# Altium PCB PCB1.PcbDoc
Units mm, origin at the board's own origin, x right, y up, seen from the top; angles counter-clockwise.
Board outline 50 x 30 mm, 2 copper layers (Top Layer, Bottom Layer); 59 components, 65 nets, 278 pads, 48 vias.
Unrouted connection lines stored in the file: 41.
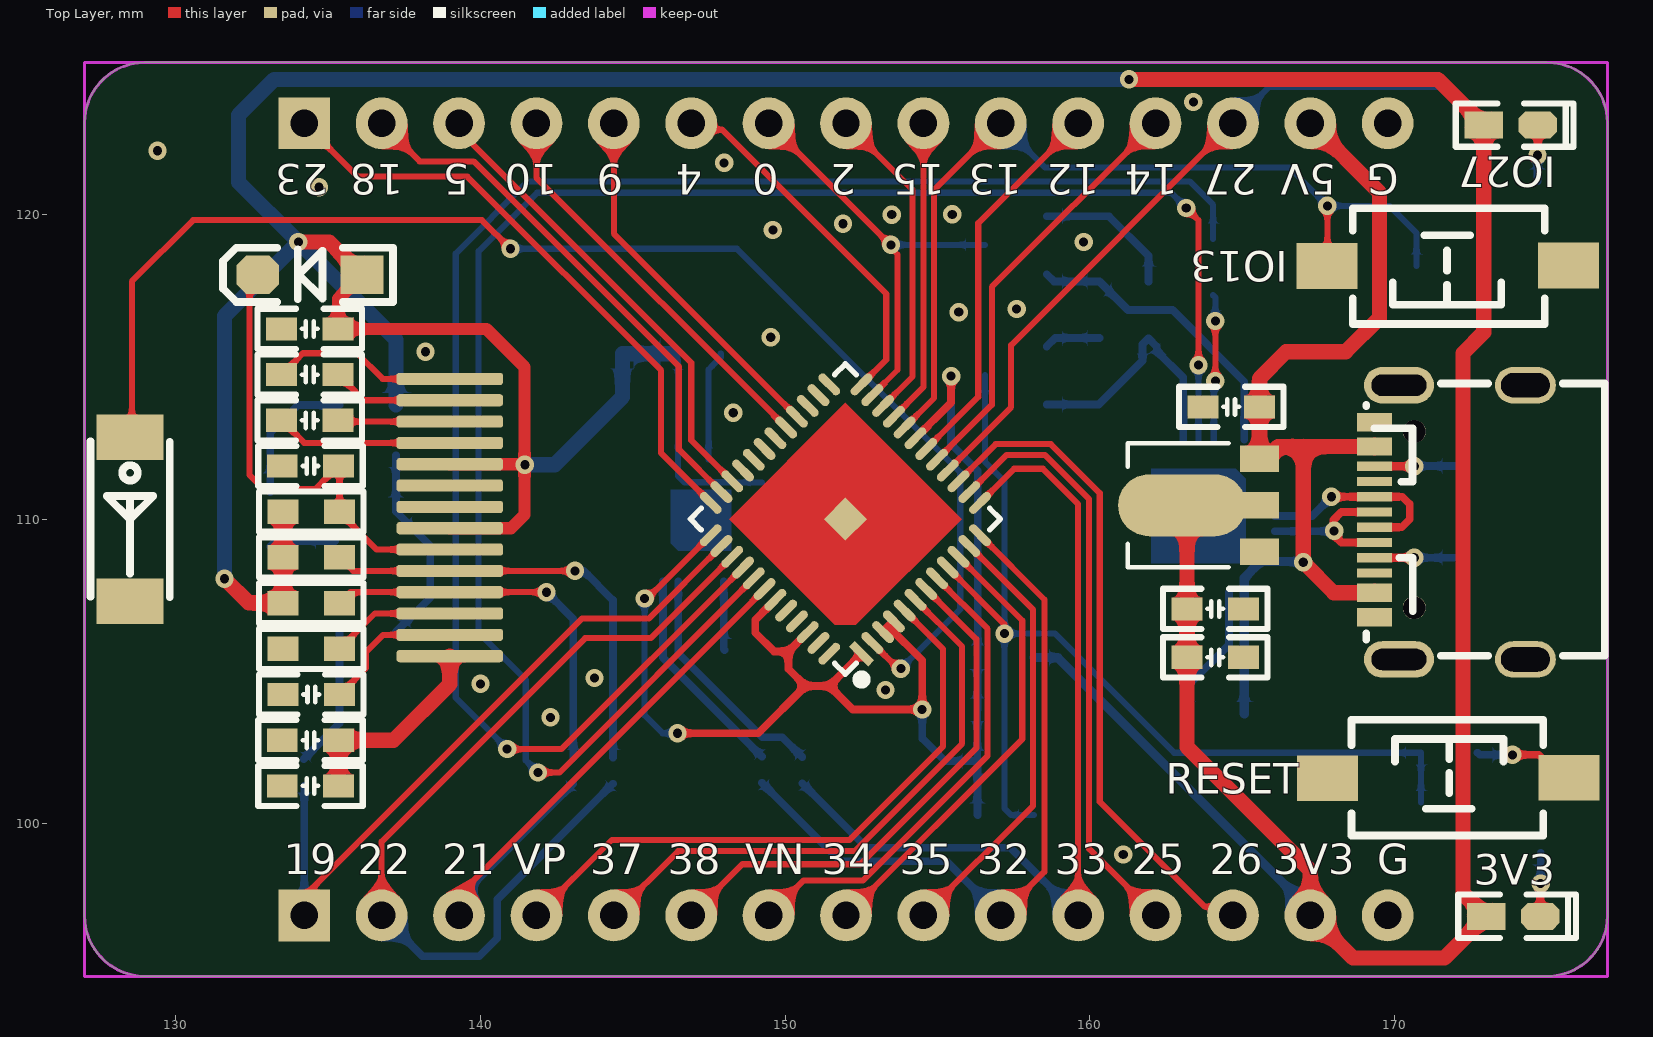
[diagram p0: Top Layer view]
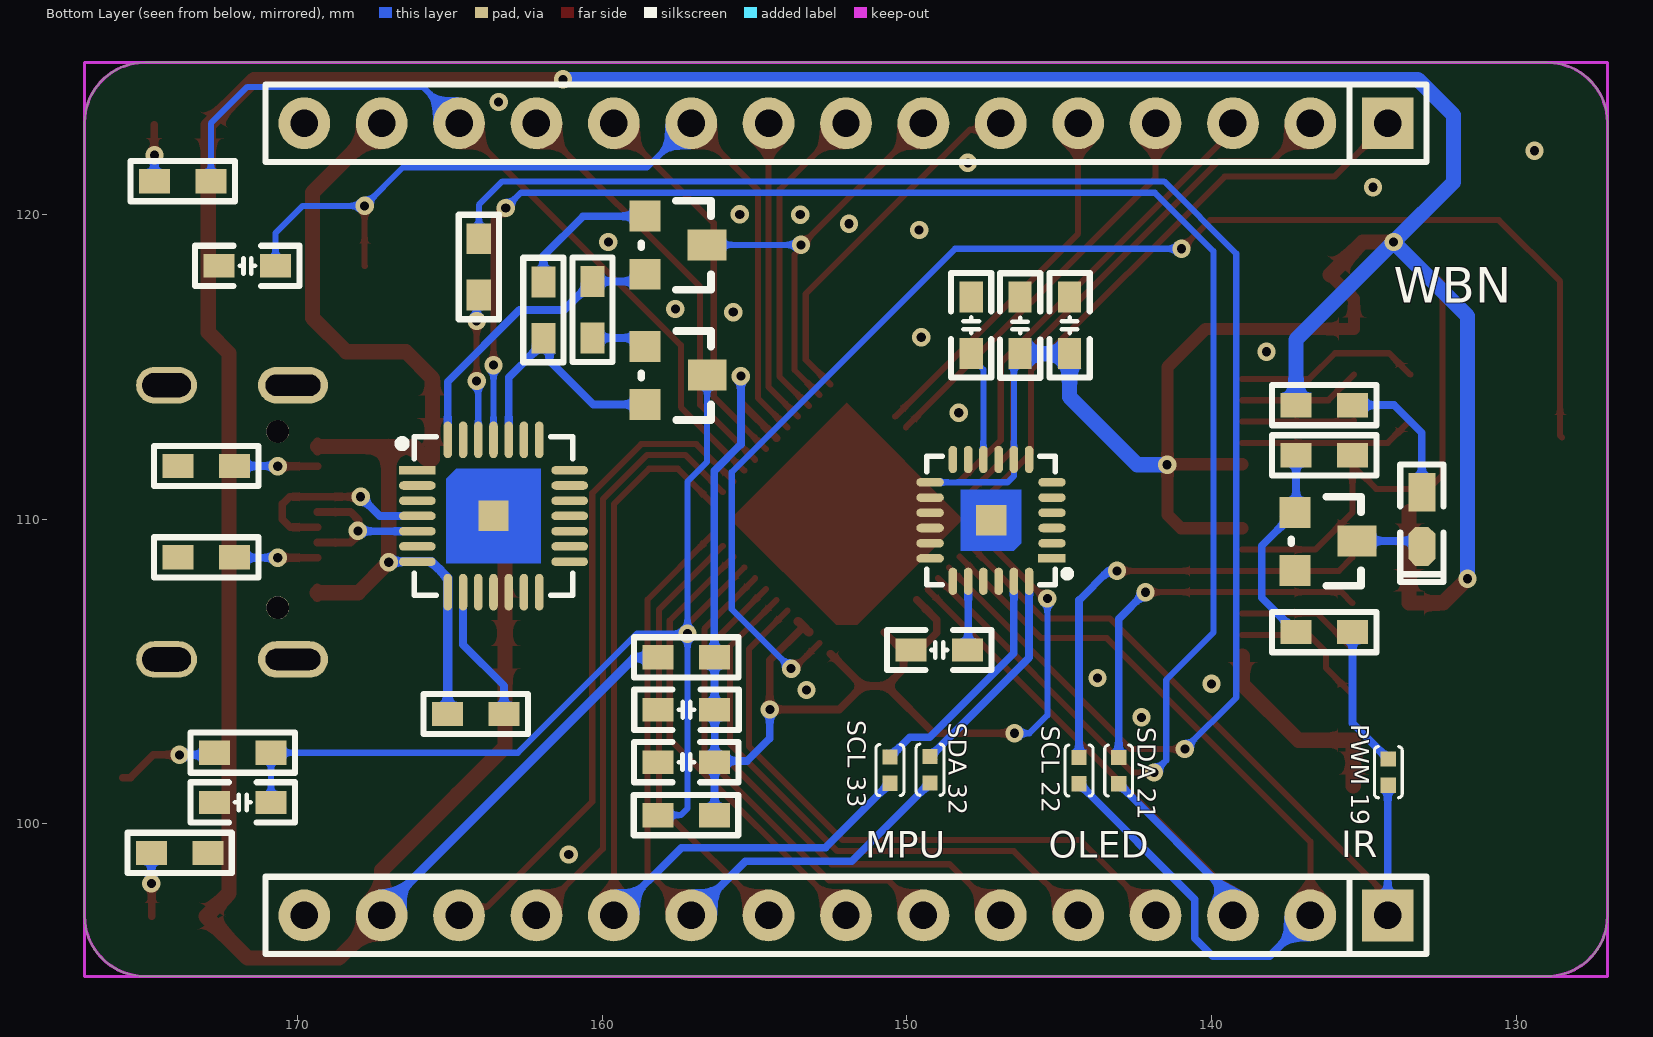
[diagram p1: Bottom Layer view, seen from below]

## Layer stack, top to bottom
Top Solder: solder mask 0.0102, Solder Resist, Dk 3.5
Top Layer: signal copper 0.0356
Dielectric 1: dielectric 0.32, FR-4, Dk 4.8
Bottom Layer: signal copper 0.0356
Bottom Solder: solder mask 0.0102, Solder Resist, Dk 3.5

## Board outline
127,97 127,123 cw(c129,123) 129,125 175,125 cw(c175,123) 177,123 177,97 cw(c175,97) 175,95 129,95 cw(c129,97)

## Design rules (kind name [scope] priority, off if disabled: settings)
Clearance [All] p1: gap=0.152 ignorepadtopadclearanceinfootprint=FALSE except(0: Arc-Hole Track-Hole SMDPad-Hole THPad-Hole Via-Hole Fill-Hole Poly-Hole Region-Hole Text-Hole)
PlaneConnect [All] p1: planeconnectstyle=Direct reliefexpansion=0.508 reliefentries=4 reliefconductorwidth=0.254 reliefairgap=0.254
PolygonConnect [All] p1: connectstyle=Direct reliefconductorwidth=0.254 reliefentries=4 polygonreliefangle="90 Angle" airgapwidth=0.254
RoutingVias [All] p1: holewidth=0.3 width=0.6 viastyle="Through Hole" minholewidth=0.3 minwidth=0.6 maxholewidth=0.3 maxwidth=0.6
SolderMaskExpansion [All] p1: expansion=0.102 istentingtop=FALSE
Width [All] p1: maxlimit=1 minlimit=0.2 preferedwidth=0.254
29 further rules are at their usual default settings.

## Classes and differential pairs
component class Sheet1: SW2 U1

## Components (designator, comment, footprint, x,y, rotation, side; value= is the part's Value field where it differs from the comment)
C1 "" C_0603 134.4,113.25 r180 top
C2 "" C_0603 134.4,114.75 r0 top
C3 "" C_0603 157.237,103.75 r180 bottom
C4 "" C_0603 157.24,102.03 r180 bottom
C5 "" C_0603 146.285,116.363 r270 bottom
C6 "" C_0603 134.4,116.25 r0 top
C7 "" C_0603 148.94,105.71 r180 bottom
C8 "" C_0603 144.66,116.37 r270 bottom
C9 "" C_0603 147.89,116.37 r270 bottom
C10 "" C_0603 134.423,101.25 r180 top
C11 "" C_0603 134.423,102.75 r180 top
C12 "" C_0603 134.423,111.75 r180 top
C13 "" C_0603 134.45,104.25 r180 top
C14 "" C_0603 171.8,100.71 r180 bottom
C15 "" C_0603 164.643,113.69 r0 top
C16 "" C_0603 164.12,107.06 r180 top
C17 "" C_0603 164.12,105.47 r180 top
C18 "" C_0603 171.65,118.32 r180 bottom
D1 "" SOD-123 134.4,118.025 r180 top
D2 "" LED_0603 173.899,96.97 r0 top
D3 "" LED_0603 173.82,122.94 r0 top
J1 "" 0402-0R 134.2,101.7 r270 bottom
J2 "" 0402-0R 149.24,101.782 r270 bottom
J3 "" 0402-0R 150.56,101.768 r270 bottom
J4 "" 0402-0R 143.05,101.752 r270 bottom
J5 "" 0402-0R 144.35,101.752 r270 bottom
L1 "" ANT2051 128.5,110 r270 top
P1 "" OLED-128*32 138.936,110.108 r0 top
P2 "" HDR2.54-LI-15P 152,97 r0 bottom
P3 "" HDR2.54-LI-15P 152,123 r0 bottom
Q1 "" SOT23 137.273,110.354 r270 bottom
Q2 "" SOT23 158.606,115.799 r270 bottom
Q3 "" SOT23 158.608,120.074 r270 bottom
R1 "" R_0603 136.3,113.75 r180 bottom
R2 "" R_0603 136.3,106.3 r180 bottom
R3 "" R_0603 136.3,112.1 r180 bottom
R4 "" R_0603 157.24,105.47 r0 bottom
R5 "" R_0603 134.45,108.75 r180 top
R6 "" R_0603 134.45,107.25 r180 top
R7 "" R_0603 134.45,105.75 r180 top
R8 "" R_0603 157.25,100.29 r180 bottom
R9 "" R_0603 134.45,110.25 r180 top
R10 "" R_0603 164.15,103.61 r180 bottom
R11 "" R_0603 164.05,118.283 r90 bottom
R12 "" R_0603 173,108.75 r180 bottom
R13 "" R_0603 173,111.75 r180 bottom
R14 "" R_0603 173.873,99.05 r180 bottom
R15 "" R_0603 173.773,121.1 r180 bottom
R16 "" R_0603 160.32,116.88 r90 bottom
R17 "" R_0603 171.8,102.34 r180 bottom
R18 "" R_0603 161.93,116.87 r270 bottom
SW1 "" "TSW SMD-3*6*2.5" 171.8,101.52 r0 top
SW2 "" "TSW SMD-3*6*2.5" 171.725,118.312 r180 top
U1 "" LED_0603 133.1,110 r270 bottom
U2 "" "QFN24 4x4_N" 147.24,109.965 r90 bottom
U3 "" "QFN48 7X7_N" 151.98,110.01 r45 top
U4 "" "QFN28 5x5_N" 163.57,110.11 r270 bottom
U5 "" SOT-89 165.57,108.936 r90 top
USB1 "" USB-C-SMD_TYPE-C-USB-5 171.825,109.903 r90 top

## Footprints (in the part's own frame and the unit in brackets; to place one, negate y for a bottom-side part, rotate by r counter-clockwise, add the part's x,y. Pads: shape width x height; smd on the part's side, far side on the other; paste and mask are expansions set on the pad)
0402-0R [mm] "选择焊盘"
  rect 0.5x0.5 smd: 1(-0.432,0) 2(0.432,0)
  silkscreen extent -0.84,-0.46 0.84,0.46
ANT2051 [mm]
  rect 1.5x2.2 smd: 1(-2.69,0) 2(2.69,0)
  silkscreen extent -2.56,-1.3 2.55,1.3, body extent -2.57,-0.91 2.54,0.94, height 1.32
C_0603 [mil]
  rect 40x30 smd: 1(-36.5,0) 2(36.5,0)
  silkscreen extent -68,-26 68,26, body extent -31,-16 31,16, height 32
HDR2.54-LI-15P [mm] "排针，15脚"
  rect 1.7x1.7 hole 0.9: 1(-17.78,0)
  round 1.7 hole 0.9: 2(-15.24,0) 3(-12.7,0) 4(-10.16,0) 5(-7.62,0) 6(-5.08,0) 7(-2.54,0) 8(0,0) 9(2.54,0) 10(5.08,0) 11(7.62,0) 12(10.16,0) 13(12.7,0) 14(15.24,0) 15(17.78,0)
  silkscreen extent -19.05,-1.27 19.05,1.27, body extent -19.05,-1.27 19.05,1.27, height 8.5
LED_0603 [mil]
  rect 50x35 smd: 1(-35,0)
  oct 50x35 smd: 2(35,0)
  silkscreen extent -71,-28 81,28, body extent -32,-16 31,16, height 18
OLED-128*32 [mm]
  rrect50% 3.5x0.4 smd: 1(0.06,4.5) 2(0.06,3.8) 3(0.06,3.1) 4(0.06,2.4) 5(0.06,1.7) 6(0.06,1) 7(0.06,0.3) 8(0.06,-0.4) 9(0.06,-1.1) 10(0.06,-1.8) 11(0.06,-2.5) 12(0.06,-3.2) 13(0.06,-3.9) 14(0.06,-4.6)
"QFN24 4x4_N" [mm] "24脚，长x宽x高：4x4x1mm，脚距：0.5mm"
  rect 0.28x0.9 smd: 1(-1.25,-2)
  oval 0.28x0.9 smd: 2(-0.75,-2) 3(-0.25,-2) 4(0.25,-2) 5(0.75,-2) 6(1.25,-2) 13(1.25,2) 14(0.75,2) 15(0.25,2) 16(-0.25,2) 17(-0.75,2) 18(-1.25,2)
  oval 0.9x0.28 smd: 7(2,-1.25) 8(2,-0.75) 9(2,-0.25) 10(2,0.25) 11(2,0.75) 12(2,1.25) 19(-2,1.25) 20(-2,0.75) 21(-2,0.25) 22(-2,-0.25) 23(-2,-0.75) 24(-2,-1.25)
  rect 1x1 smd: 25(0,0)
  Top Layer region: -1,1 1,1 1,-1 -0.75,-1 -1,-0.75
  silkscreen extent -2.11,-2.6 2.11,2.11, body extent -2.01,-2.01 2.01,2.01, height 0.95
"QFN28 5x5_N" [mm] "28脚，长x宽x高：5x5x0.8mm，脚距：0.5mm"
  rect 0.28x1.2 smd: 1(-1.5,-2.5)
  oval 0.28x1.2 smd: 2(-1,-2.5) 3(-0.5,-2.5) 4(0,-2.5) 5(0.5,-2.5) 6(1,-2.5) 7(1.5,-2.5) 15(1.5,2.5) 16(1,2.5) 17(0.5,2.5) 18(0,2.5) 19(-0.5,2.5) 20(-1,2.5) 21(-1.5,2.5)
  oval 1.2x0.28 smd: 8(2.5,-1.5) 9(2.5,-1) 10(2.5,-0.5) 11(2.5,0) 12(2.5,0.5) 13(2.5,1) 14(2.5,1.5) 22(-2.5,1.5) 23(-2.5,1) 24(-2.5,0.5) 25(-2.5,0) 26(-2.5,-0.5) 27(-2.5,-1) 28(-2.5,-1.5)
  rect 1x1 smd: 29(0,0)
  Top Layer region: -1.55,1.55 1.55,1.55 1.55,-1.55 -1.225,-1.55 -1.55,-1.225
  silkscreen extent -2.6,-3.13 2.6,2.6, body extent -2.51,-2.51 2.51,2.51, height 0.75
"QFN48 7X7_N" [mm] "48脚，长x宽x高：7x7x1mm，脚距：0.5mm"
  rect 0.28x0.9 smd: 1(-2.75,-3.5)
  oval 0.28x0.9 smd: 2(-2.25,-3.5) 3(-1.75,-3.5) 4(-1.25,-3.5) 5(-0.75,-3.5) 6(-0.25,-3.5) 7(0.25,-3.5) 8(0.75,-3.5) 9(1.25,-3.5) 10(1.75,-3.5) 11(2.25,-3.5) 12(2.75,-3.5) 25(2.75,3.5) 26(2.25,3.5) 27(1.75,3.5) 28(1.25,3.5) 29(0.75,3.5) 30(0.25,3.5) 31(-0.25,3.5) 32(-0.75,3.5) 33(-1.25,3.5) 34(-1.75,3.5) 35(-2.25,3.5) 36(-2.75,3.5)
  oval 0.9x0.28 smd: 13(3.5,-2.75) 14(3.5,-2.25) 15(3.5,-1.75) 16(3.5,-1.25) 17(3.5,-0.75) 18(3.5,-0.25) 19(3.5,0.25) 20(3.5,0.75) 21(3.5,1.25) 22(3.5,1.75) 23(3.5,2.25) 24(3.5,2.75) 37(-3.5,2.75) 38(-3.5,2.25) 39(-3.5,1.75) 40(-3.5,1.25) 41(-3.5,0.75) 42(-3.5,0.25) 43(-3.5,-0.25) 44(-3.5,-0.75) 45(-3.5,-1.25) 46(-3.5,-1.75) 47(-3.5,-2.25) 48(-3.5,-2.75)
  rect 1x1 smd mask+0.051: 49(0,0)
  Top Layer region: -2.7,2.7 2.7,2.7 2.7,-2.7 -2.214,-2.7 -2.7,-2.214
  silkscreen extent -3.6,-4.25 3.6,3.6, body extent -3.51,-3.51 3.51,3.51, height 0.95
R_0603 [mil]
  rect 40x31.5 smd: 1(-36.5,0) 2(36.5,0)
  silkscreen extent -68,-26 68,26, body extent -31,-16 31,16, height 16
SOD-123 [mil] "2.7x1.6X1.1mm（长宽高，不包括引脚）"
  rect 55x50 smd: 1(-67.5,0)
  oct 55x50 smd: 2(67.5,0)
  silkscreen extent -108,-35 112,35, body extent -73,-31 73,31, height 48
SOT23 [mil]
  rect 40x40 smd: 1(4.88,0.63) 2(79.88,0.63)
  rect 40x50 smd: 3(41.88,80.63)
  silkscreen extent -15,-4 100,86, body extent -15,-11 99,99, height 47
SOT-89 [mil]
  rect 34.02x50 smd: 1(0,0) 3(120,0)
  oval 80x165.35 smd: 2(60,100)
  rect 34x100 smd: 2(60,25)
  silkscreen extent -20,40 140,170, body extent -31,-17 151,151, height 63
"TSW SMD-3*6*2.5" [mm] "3*6*2.5mm"
  rect 2x1.5 smd: 1(-3.996,-0.02) 2(3.937,0)
  silkscreen extent -3.21,-1.9 3.09,1.9, body extent -4,-1.88 4,1.62, height 2.59
USB-C-SMD_TYPE-C-USB-5 [mm]
  oval 1.2x2.3 hole 0.7 slot 1.8 at 90 deg: 1(-4.5,1.675) 2(4.5,1.675)
  oval 1.2x2 hole 0.8 slot 1.6 at 90 deg: 3(-4.5,-2.475) 4(4.5,-2.475)
  rect 0.3x1.15 smd: A1(-3.263,2.473) A4(-2.462,2.471) A5(-1.162,2.475) A6(-0.162,2.475) A7(0.337,2.473) A9(2.638,2.475) A12(3.438,2.475) B1(3.138,2.475) B4(2.337,2.475) B5(1.838,2.475) B6(0.838,2.475) B7(-0.663,2.473) B9(-2.162,2.471) B12(-2.963,2.473)
  rect 0.3x1.148 smd: A8(1.337,2.475) B8(-1.663,2.475)
  round 0.75 hole 0.75 unplated: ""(-2.803,1.175) ""(2.978,1.175)
  silkscreen extent -4.38,-5.08 4.56,2.75, body extent -4.34,-5.14 4.6,2.76, height 3.25

## Part data
C1 C2 C3 C4 C5 C6 C7 C8 C9 C10 C11 C12 C13 C14 C15 C16 C17 C18: library part C_0603, "4.7nf-4.7uf"
D1: library part 1N4148W, "150mA/100V    开关二极管"
D2 D3: library part LED_0603
J1 J2 J3 J4 J5: library part 跳线, "Resistor", LatestRevisionDate=17-Jul-2002, LatestRevisionNote="Re-released for DXP Platform.", PackageDescription="Axial Device, Thru-Hole; 2 Leads; 0.4 in Pin Spacing", PackageReference=AXIAL-0.4, Published=8-Jun-2000, Publisher="Altium Limited"
L1: library part AN2051-245, BOM_JLCPCB Part Class="Extended Part", BOM_Manufacturer=Rainsun, BOM_Manufacturer Part=AN2051-245, BOM_Supplier=LCSC, BOM_Supplier Part=C99727, spicePre=L, spiceSymbolName=AN2051-245
P1: library part OLED-128*32
P2 P3: library part 排针-直-15P, BOM名称=15P接插件, 学习资源=www.ooocke.com, 版权归属=源创客
Q1 Q2 Q3: library part S8050, BOM_JLCPCB Part Class="Extended Part", BOM_Manufacturer=FOSAN(富信), BOM_Manufacturer Part=S8050, BOM_Supplier=LCSC, BOM_Supplier Part=C2926165, Contributor=LCSC, spicePre=Q, spiceSymbolName=S8050_C2926165
R1 R2 R3 R4 R5 R6 R7 R8 R9 R10 R11 R12 R13 R14 R15 R16 R17 R18: library part R_0603
SW1 SW2: library part 轻触开关-3*6
U1: library part IR19-21C/TR8, "红外发射管，波长940nm", BOM_JLCPCB Part Class="Extended Part", BOM_Manufacturer="Everlight Elec", BOM_Manufacturer Part=IR19-21C/TR8, BOM_Supplier=LCSC, BOM_Supplier Part=C93768, Contributor=LCSC, spicePre=U, spiceSymbolName=IR19-21C/TR8
U2: library part MPU-6050, BOM_JLCPCB Part Class="Basic Part", BOM_Manufacturer=InvenSense, BOM_Manufacturer Part=MPU-6050, BOM_Supplier=LCSC, BOM_Supplier Part=C24112, sourceId=1T5FDZYC8, spicePre=U, spiceSymbolName=MPU-6050_C24112, timeStamp=1462265206
U3: library part ESP32-PICO-D4, BOM_JLCPCB Part Class="Extended Part", BOM_Manufacturer="Espressif Systems", Frequency=-, BOM_Manufacturer Part=ESP32-PICO-D4, BOM_Supplier=LCSC, BOM_Supplier Part=C193707, Contributor=LCSC, spicePre=U, spiceSymbolName=ESP32-PICO-D4
U4: library part CP2102-GMR, BOM_JLCPCB Part Class="Basic Part", BOM_Manufacturer="SILICON LABS", BOM_Manufacturer Part=CP2102-GMR, BOM_Supplier=LCSC, BOM_Supplier Part=C6568, spicePre=U, spiceSymbolName=CP2102-GMR
U5: library part ASM1117-3.3, "SOT-89封装"
USB1: library part TYPE-C, "KH-TYPE-C-16P", BOM_JLCPCB Part Class="Extended Part", BOM_Manufacturer="Shenzhen Kinghelm Elec", BOM_Manufacturer Part=KH-TYPE-C-16P, BOM_Supplier=LCSC, BOM_Supplier Part=C709357, Contributor=LCSC, spicePre=U, spiceSymbolName=KH-TYPE-C-16P

## Via types
v1: diameter 0.6, hole 0.3, Top Layer to Bottom Layer, tented both sides, 48 vias

## Nets (pads, with @x,y where several pads share a name; then routed paths per layer and width w, separated by ;. In a path a pad name is that pad's centre, name@x,y a point inside that pad or via, vN(x,y) a via of type N, cw(c..) or ccw(c..) an arc to the next point about the centre after c; other vN are vias at no path point)
3V3: C5.2 C6.2 C8.2 C16.2 C17.2 D1.1 D2.1 D3.1 P1.5 P1.8 P2.14 R1.1 R4.2 R5.2 R6.2 R9.2 U2.8 U2.13 U5.2 | length 167.7
  Top Layer w0.4: D1.1 135.327,117.238 C6.2 140.2,116.25 141.45,115 v1@141.45,111.8 ; P1.8 141.008,109.708 141.45,110.15 v1@141.45,111.8 ; P1.5 141.442,111.808 v1@141.45,111.8
  Top Layer w0.5: v1(131.6,108.05) 132.4,107.25 R6.2 R5.2 R9.2 ; v1(134.025,119.1) 135.039,119.1 D1.1 ; v1(161.29,124.44) 171.431,124.44 D3.1 172.931,116.131 172.25,115.45 172.25,97.73 D2.1 171.64,95.6 168.64,95.6 P2.14 167.24,98.48 164.755,100.965 ; U5.2@163.03,110.46 163.193,110.297 C16.2 C17.2 163.193,102.527 164.755,100.965 ; 164.763,100.973 164.755,100.965
  Bottom Layer w0.2: C5.2 146.49,115.231 U2.8 146.49,111.42 146.693,111.217 148.345,111.217 148.347,111.215 U2.13
  Bottom Layer w0.3: R4.2 158.176,105.461 158.949,105.461 167.24,97.17 P2.14
  Bottom Layer w0.5: v1(131.6,108.05) 131.6,116.675 v1(134.025,119.1) ; R1.1 137.227,115.898 v1(134.025,119.1) ; v1(141.46,111.79) 142.438,111.79 144.66,114.012 C8.2 144.667,115.436 C5.2 ; v1(161.29,124.44) 133.23,124.44 132.062,123.272 132.062,121.063 v1(134.025,119.1)
3V3_MCU: C3.2 C4.2 R4.1 R8.2 U3.1 U3.3 U3.4 U3.19 U3.37 U3.43 U3.46 | length 47.7
  Top Layer w0.2: v1(145.39,107.4) 145.481,107.4 U3.37
  Top Layer w0.254: v1(146.47,102.98) 149.12,102.98 150.67,104.53 ; U3.43 149.02,106.696 149.02,106.28 149.635,105.665 150.11,105.665 ; U3.46 150.11,105.665 ; U3.1 151.45,104.53 ; 153.394,106.474 154.5,105.369 v1@154.5,103.77 ; U3.19 155.45,113.834 v1(155.45,114.7) ; v1(154.5,103.76) 152.22,103.76 151.45,104.53 ; 150.11,105.665 150.11,105.09 150.67,104.53 ; 150.67,104.53 151.45,104.53
  Top Layer w0.3: U3.3 153.394,106.474 U3.4
  Bottom Layer w0.2: v1(145.39,107.4) 145.39,103.57 145.98,102.98 v1(146.47,102.98)
  Bottom Layer w0.254: v1(154.5,103.76) 154.5,102.81 155.24,102.07 156.273,102.07 C4.2@156.31,102.033 ; v1(155.45,114.7) 155.45,112.46 156.323,111.587 156.323,105.48 R4.1 156.313,103.753 C3.2 C4.2@156.31,102.033 ; R8.2 156.313,100.3 C4.2 C4.2@156.31,102.033
CP_Rx: U3.41 U4.25 | length 59.7
  Top Layer w0.2: v1(141.89,101.69) 142.599,101.69 U3.41 ; v1(163.17,120.22) 163.57,119.82 v1(163.57,115.06)
  Bottom Layer w0.2: v1(141.89,101.69) 141.49,102.09 141.49,104.73 139.94,106.28 139.94,118.8 141.86,120.72 162.67,120.72 v1(163.17,120.22) ; U4.25 v1(163.57,115.06)
CP_Tx: R11.2 U3.40 | length 54.4
  Top Layer w0.2: v1(140.878,102.465) 140.878,102.462 140.885,102.455 142.658,102.455 U3.40
  Bottom Layer w0.2: v1(140.878,102.465) 140.877,102.463 139.19,104.15 139.19,118.72 141.56,121.09 163.28,121.09 164.05,120.32 R11.2
DTR: Q3.2 R16.2 U4.28 | length 9.8
  Bottom Layer w0.254: Q3.2 158.83,117.807 R16.2 161.257,116.87 162.72,116.87 165.07,114.52 U4.28
EN: C14.2 Q2.3 R8.1 R17.2 U3.9 | length 35.4
  Top Layer w0.2: U3.9 157.201,106.557 v1(157.201,106.248)
  Bottom Layer w0.2: Q2.3 156.558,111.889 157.201,111.245 v1(157.201,106.248) ; R8.1 157.42,100.29 157.2,100.51 157.2,106.247 v1(157.201,106.248) ; C14.2 R17.2 162.77,102.34 158.862,106.248 v1(157.201,106.248)
GND: C3.1 C4.1 C5.1 C6.1 C7.1 C8.1 C9.1 C10.2 C11.2 C12.2 C13.2 C14.1 C15.1 C16.1 C17.1 C18.1 P1.7 P2.15 P3.15 Q1.2 R3.2 R7.2 R12.1 R13.1 R14.2 SW1.1 SW2.1 U2.1 U2.9 U2.11 U2.18 U2.25 U3.49 U4.3 U4.29 U5.1 USB1.1 USB1.2 USB1.3 USB1.4 USB1.A1 USB1.A12 USB1.B1 USB1.B12
  other v1: 161.1,99 142.3,103.5 153.3,104.4 140,104.6 143.746,104.791 148.3,113.5 138.2,115.5 149.529,115.979 155.7,116.8 157.6,116.9 159.8,119.1 149.6,119.5 151.9,119.7 153.5,120 155.487,120.01 134.7,120.9 148,121.7 129.4,122.1 163.4,123.7
GPIO0: P3.7 Q3.3 U3.23 | length 14.3
  Top Layer w0.2: P3.7@149.62,122.94 149.62,123 P3.7 153.45,119.01 v1(153.48,119.01) 153.48,118.903 153.69,118.693 153.69,114.902 U3.23
  Bottom Layer w0.2: v1(153.48,119.01) Q3.3
GPIO2: P3.8 U3.22 | length 10.6
  Top Layer w0.2: P3.8 154.182,120.818 154.182,114.687 U3.22
GPIO4: P3.6 U3.24 | length 12
  Top Layer w0.2: P3.6 147.133,122.787 147.933,122.787 153.32,117.4 153.32,115.239 U3.24
GPIO5: P3.3 U3.34 | length 15.5
  Top Layer w0.2: P3.3 139.3,122.76 146.92,115.14 146.92,112.595 U3.34
GPIO9: P3.5 U3.28 | length 12.1
  Top Layer w0.2: P3.5 144.38,119.378 U3.28
GPIO10: P3.4 U3.29 | length 13.4
  Top Layer w0.2: P3.4 141.84,121.211 U3.29
GPIO12: P3.11 U3.18 | length 12.8
  Top Layer w0.2: U3.18 156.341,114.018 156.341,119.721 P3.11
GPIO13: C18.2 P3.10 SW2.2 U3.20 | length 29.5
  Top Layer w0.2: U3.20 154.892,113.983 154.892,120.812 P3.10 ; SW2.2 167.8,118.324 v1(167.8,120.29)
  Bottom Layer w0.2: P3.10 158.53,121.55 166.54,121.55 v1(167.8,120.29) 169.835,120.29 170.723,119.402 C18.2
GPIO14: P3.12 U3.17 | length 14
  Top Layer w0.2: U3.17 156.79,113.759 156.79,117.63 P3.12
GPIO15: P3.9 U3.21 | length 10
  Top Layer w0.2: U3.21 154.54,114.338 P3.9
GPIO18: P3.2 U3.35 | length 17.8
  Top Layer w0.2: P3.2 138.01,121.75 139.78,121.75 146.51,115.02 146.51,112.298 U3.35
GPIO19: J1.2 P2.1 U3.38 | length 23.4
  Top Layer w0.2: P2.1 134.22,97.63 143.34,106.75 145.538,106.75 U3.38
  Bottom Layer w0.2: J1.2 J1.2@134.22,101.248
  Bottom Layer w0.254: P2.1 J1.2@134.22,101.248
GPIO21: J4.2 P2.3 U3.42 | length 20.7
  Top Layer w0.2: P2.3 139.3,97.684 U3.42
  Bottom Layer w0.254: P2.3 139.3,97.57 J4.2
GPIO22: J5.2 P2.2 U3.39 | length 29
  Top Layer w0.2: P2.2 136.76,97.265 136.76,99.421 143.439,106.1 145.595,106.1 U3.39
  Bottom Layer w0.254: P2.2 138.1,95.66 139.96,95.66 140.55,96.25 140.55,97.52 J5.2
GPIO23: P3.1 U3.36 | length 20.1
  Top Layer w0.2: P3.1 135.97,121.25 139.57,121.25 145.93,114.89 145.93,112.171 U3.36
GPIO25: P2.12 U3.14 | length 19.6
  Top Layer w0.2: U3.14 157.27,112.118 158.522,112.118 159.978,110.662 159.978,99.182 P2.12
GPIO26: P2.13 U3.15 | length 21.9
  Top Layer w0.2: U3.15 156.915,112.47 158.72,112.47 160.33,110.86 160.33,100.73 163.773,97.287 164.413,97.287 P2.13
GPIO27: P3.13 R15.2 U3.16 | length 26.3
  Top Layer w0.2: U3.16 157.42,113.682 157.42,115.72 P3.13
  Bottom Layer w0.2: P3.13 165.895,124.195 171.647,124.195 172.846,122.997 R15.2
GPIO32: J2.2 P2.10 U3.12 | length 23.6
  Top Layer w0.2: U3.12 158.51,107.369 158.51,98.43 P2.10
  Bottom Layer w0.254: J2.2 151.81,98.78 155.3,98.78 P2.10
GPIO33: J3.2 P2.11 U3.13 | length 28.5
  Top Layer w0.2: U3.13 157.519,111.66 158.46,111.66 159.62,110.5 P2.11
  Bottom Layer w0.254: J3.2 152.676,99.22 157.4,99.22 P2.11
GPIO34: P2.8 U3.10 | length 15
  Top Layer w0.2: P2.8 157.785,102.785 157.785,106.68 U3.10
GPIO35: P2.9 U3.11 | length 14.5
  Top Layer w0.2: P2.9 158.14,100.6 158.14,107.032 U3.11
GPIO37: P2.5 U3.6 | length 19.1
  Top Layer w0.2: P2.5 146.49,99.11 152.28,99.11 155.81,102.64 155.81,105.826 U3.6
GPIO38: P2.6 U3.7 | length 17.5
  Top Layer w0.2: P2.6 148.6,98.68 152.47,98.68 156.28,102.49 156.28,106.064 U3.7
IR: J1.1 R2.2 | length 4.7
  Bottom Layer w0.254: J1.1 135.373,103.305 R2.2
IREF: P1.12 R7.1 | length 4.1
  Top Layer w0.2: R7.1 136.535,106.908 P1.12
MPU_SCL: J3.1 U2.23 | length 7.8
  Bottom Layer w0.254: U2.23 146.49,105.61 149.25,102.85 149.91,102.85 J3.1
MPU_SDA: J2.1 U2.24 | length 7.1
  Bottom Layer w0.254: U2.24 145.99,105.464 J2.1
NetC1_1: C1.1 P1.3 | length 3.7
  Top Layer w0.2: C1.1 135.369,113.208 P1.3
NetC1_2: C1.2 P1.4 | length 5.8
  Top Layer w0.2: C1.2 134.214,112.508 P1.4
NetC2_1: C2.1 P1.1 | length 6.2
  Top Layer w0.2: C2.1 134.173,115.45 135.95,115.45 136.792,114.608 P1.1
NetC2_2: C2.2 P1.2 | length 4
  Top Layer w0.2: C2.2 136.169,113.908 P1.2
NetC7_2: C7.2 U2.20 | length 2.3
  Bottom Layer w0.254: U2.20 147.99,105.733 C7.2
NetC9_2: C9.2 U2.10 | length 3.6
  Bottom Layer w0.2: U2.10 147.49,114.918 147.607,115.035 147.609,115.035 147.89,115.316 C9.2
NetD2_2: D2.2 R14.1 | length 2.1
  Top Layer w0.254: D2.2 174.788,98.038 v1(174.8,98.05)
  Bottom Layer w0.254: v1(174.8,98.05) R14.1
NetD3_2: D3.2 R15.1 | length 1.8
  Top Layer w0.254: v1(174.7,121.95) 174.709,121.959 D3.2
  Bottom Layer w0.254: R15.1 v1(174.7,121.95)
NetL1_1: L1.1 U3.2 | length 45.1
  Top Layer w0.2: L1.1 128.56,112.75 128.56,117.81 130.57,119.82 140.05,119.82 v1(140.99,118.88) ; U3.2 153.708,105.1 v1(153.8,105.1)
  Bottom Layer w0.2: v1(140.99,118.88) 148.42,118.88 155.75,111.55 155.75,107.05 v1(153.8,105.1)
NetQ1_1: Q1.1 R2.1 R3.1 | length 6.7
  Bottom Layer w0.254: R2.1 138.35,107.423 138.35,109.137 Q1.1 ; Q1.1@137.227,110.26 R3.1
NetQ1_3: Q1.3 U1.2 | length 2.2
  Bottom Layer w0.254: U1.2 133.279,109.29 Q1.3
NetQ2_1: Q2.1 R16.1 | length 1.8
  Bottom Layer w0.254: Q2.1 158.868,115.953 R16.1
NetQ3_1: Q3.1 R18.1 | length 4.7
  Bottom Layer w0.254: Q3.1 160.63,119.95 161.93,118.65 R18.1
NetR1_2: R1.2 U1.1 | length 4.6
  Bottom Layer w0.254: U1.1 133.1,112.84 134.01,113.75 R1.2
NetR10_2: R10.2 U4.9 | length 4.6
  Bottom Layer w0.254: R10.2 163.223,104.533 164.57,105.88 U4.9
NetR11_1: R11.1 U4.26 | length 4.8
  Top Layer w0.2: v1(164.122,114.541) v1(164.122,116.51)
  Bottom Layer w0.2: R11.1 164.122,117.283 v1(164.122,116.51) ; U4.26 164.07,114.488 v1(164.122,114.541)
NetR12_2: R12.2 USB1.A5 | length 2.7
  Top Layer w0.254: USB1.A5 v1(170.65,108.74)
  Bottom Layer w0.254: v1(170.65,108.74) 172.063,108.74 R12.2
NetR13_2: R13.2 USB1.B5 | length 2.7
  Top Layer w0.254: USB1.B5 v1(170.65,111.74)
  Bottom Layer w0.254: v1(170.65,111.74) 170.66,111.75 R13.2
NetR17_1: R17.1 SW1.2 | length 3.3
  Top Layer w0.254: v1(173.875,102.27) 174.737,102.27 175.487,101.52 SW1.2
  Bottom Layer w0.254: R17.1 172.797,102.27 v1(173.875,102.27)
OLED_SCL: J5.1 P1.10 R5.1 | length 14.7
  Top Layer w0.2: R5.1 135.819,108.308 P1.10 v1(143.102,108.308)
  Bottom Layer w0.254: v1(143.102,108.308) 143.392,108.308 144.35,107.35 J5.1
OLED_SDA: J4.1 P1.11 R6.1 | length 12.7
  Top Layer w0.2: R6.1 135.735,107.608 P1.11 v1(142.172,107.608)
  Bottom Layer w0.254: v1(142.172,107.608) 143.05,106.73 J4.1
RST: C12.1 D1.2 P1.9 R9.1 | length 15.8
  Top Layer w0.2: D1.2 132.425,117.764 132.425,111.45 132.875,111 134.6,111 C12.1 135.377,111.723 R9.1 135.377,110.223 136.592,109.008 P1.9
RTS: Q2.2 R18.2 U4.24 | length 8.4
  Bottom Layer w0.254: Q2.2 160.3,113.77 161.733,115.203 161.733,115.746 R18.2 162.203,115.67 162.203,115.522 163.07,114.655 U4.24
SENSOR_VN: P2.7 U3.8 | length 15.9
  Top Layer w0.2: P2.7 150.61,98.15 152.56,98.15 156.649,102.239 156.649,106.402 U3.8
SENSOR_VP: P2.4 U3.5 | length 20.6
  Top Layer w0.2: P2.4 144.32,99.48 152.12,99.48 155.19,102.55 155.19,105.739 U3.5
USB-PWR-DM: U4.5 USB1.A7 USB1.B7 | length 5.4
  Top Layer w0.254: USB1.B7 168.26,109.24 168,109.5 168,109.98 168.26,110.24 USB1.A7
  Bottom Layer w0.254: U4.5 168.01,109.61 v1(168.022,109.622)
USB-PWR-DP: U4.4 USB1.A6 USB1.B6 | length 6.5
  Top Layer w0.254: v1(167.93,110.74) USB1.B6 170.26,110.74 170.5,110.5 170.5,110 170.24,109.74 USB1.A6
  Bottom Layer w0.254: U4.4 167.3,110.11 v1(167.93,110.74)
VBUS: C15.2 P3.14 R10.1 U4.7 U4.8 U5.3 USB1.A4 USB1.A9 USB1.B4 USB1.B9 | length 32.5
  Top Layer w0.3: USB1.B4 169.35,112.39 USB1.A9 ; USB1.A4 169.354,107.59 USB1.B9
  Top Layer w0.5: P3.14 169.51,120.73 169.51,116.61 168.4,115.5 166.446,115.5 165.57,114.624 C15.2 U5.3 165.773,111.984 166.179,112.39 167.01,112.39 ; 169.35,112.39 167.01,112.39 ; USB1.B9@169.354,107.59 168.01,107.59 v1(167.01,108.59) 167.01,112.39
  Bottom Layer w0.3: R10.1 165.07,103.617 U4.8 165.07,108.08 165.6,108.61 U4.7 166.99,108.61 v1(167.01,108.59)
VCC: C10.1 C11.1 P1.14 | length 6.8
  Top Layer w0.5: C10.1 C11.1 137.15,102.75 138.996,104.596 P1.14
VCOMH: C13.1 P1.13 | length 4.8
  Top Layer w0.2: C13.1 136.25,105.123 136.25,105.65 136.808,106.208 P1.13 P1.13@138.987,106.2
pads on no net: L1.2 P1.6 U2.2 U2.3 U2.4 U2.5 U2.6 U2.7 U2.12 U2.14 U2.15 U2.16 U2.17 U2.19 U2.21 U2.22 U3.25 U3.26 U3.27 U3.30 U3.31 U3.32 U3.33 U3.44 U3.45 U3.47 U3.48 U4.1 U4.2 U4.6 U4.10 U4.11 U4.12 U4.13 U4.14 U4.15 U4.16 U4.17 U4.18 U4.19 U4.20 U4.21 U4.22 U4.23 U4.27 USB1. USB1.A8 USB1.B8

## Polygon pours and split planes (outlines as drawn)
GND on Top Layer "NONET_L01_P000" (solid, remove dead copper, shelved, pour order 0): 177,125 127,125 127,95 177,95
GND on Bottom Layer "NONET_L02_P001" (solid, remove dead copper, shelved, pour order 1): 127,125 177,125 177,95 127,95

## Keep-outs
Keep-Out Layer:
  lines w0.1: 127,97 ccw(c129,97) 129,95 ; 127,123 cw(c129,123) 129,125 ; 175,95 ccw(c175,97) 177,97 ; 175,125 cw(c175,123) 177,123 ; 127,95 127,125 177,125 177,95 127,95

## Silkscreen, mask and mechanical layers (free items; w line width, h text height)
Top Overlay:
  text "IO27" at 175.3,121.9 h1 r180
  text "23" at 135.005,121.65 h1 r180
  text "18" at 137.46,121.65 h1 r180
  text "5" at 139.635,121.65 h1 r180
  text "10" at 142.54,121.65 h1 r180
  text "9" at 144.695,121.65 h1 r180
  text "4" at 147.28,121.65 h1 r180
  text "0" at 149.795,121.65 h1 r180
  text "2" at 152.335,121.65 h1 r180
  text "15" at 155.235,121.65 h1 r180
  text "13" at 157.775,121.65 h1 r180
  text "12" at 160.32,121.65 h1 r180
  text "14" at 162.89,121.65 h1 r180
  text "27" at 165.48,121.65 h1 r180
  text "5V" at 168.075,121.65 h1 r180
  text "G" at 170.145,121.65 h1 r180
  text "IO13" at 166.5,118.8 h1 r180
  text "RESET" at 162.5,101 h1
  text "19" at 133.545,98.35 h1
  text "22" at 135.98,98.35 h1
  text "21" at 138.74,98.35 h1
  text "VP" at 141.06,98.35 h1
  text "37" at 143.61,98.35 h1
  text "38" at 146.145,98.35 h1
  text "VN" at 148.685,98.35 h1
  text "34" at 151.2,98.35 h1
  text "35" at 153.765,98.35 h1
  text "32" at 156.3,98.35 h1
  text "33" at 158.845,98.35 h1
  text "25" at 161.38,98.35 h1
  text "26" at 163.945,98.35 h1
  text "3V3" at 166.02,98.35 h1
  text "G" at 169.43,98.35 h1
  text "3V3" at 172.6,98 h1
Bottom Overlay:
  text "WBN" at 134.019,116.715 h2
  text "SCL 33" at 151.95,103.4 h0.6 r90
  text "SDA 32" at 148.62,103.32 h0.6 r90
  text "PWM 19" at 135.42,103.27 h0.6 r90
  text "SCL 22" at 145.57,103.22 h0.6 r90
  text "SDA 21" at 142.42,103.17 h0.6 r90
  text "IR" at 135.738,98.612 h1.5
  text "OLED" at 145.337,98.596 h1.5
  text "MPU" at 151.363,98.604 h1.5